# Altium PCB 物联网开发板.PcbDoc
Units mil, origin at the board's own origin, x right, y up, seen from the top; angles counter-clockwise.
Board outline 3405.51 x 3937.01 mil, 2 copper layers (Top Layer, Bottom Layer); 88 components, 83 nets, 380 pads, 18 vias.
Unrouted connection lines stored in the file: 153.
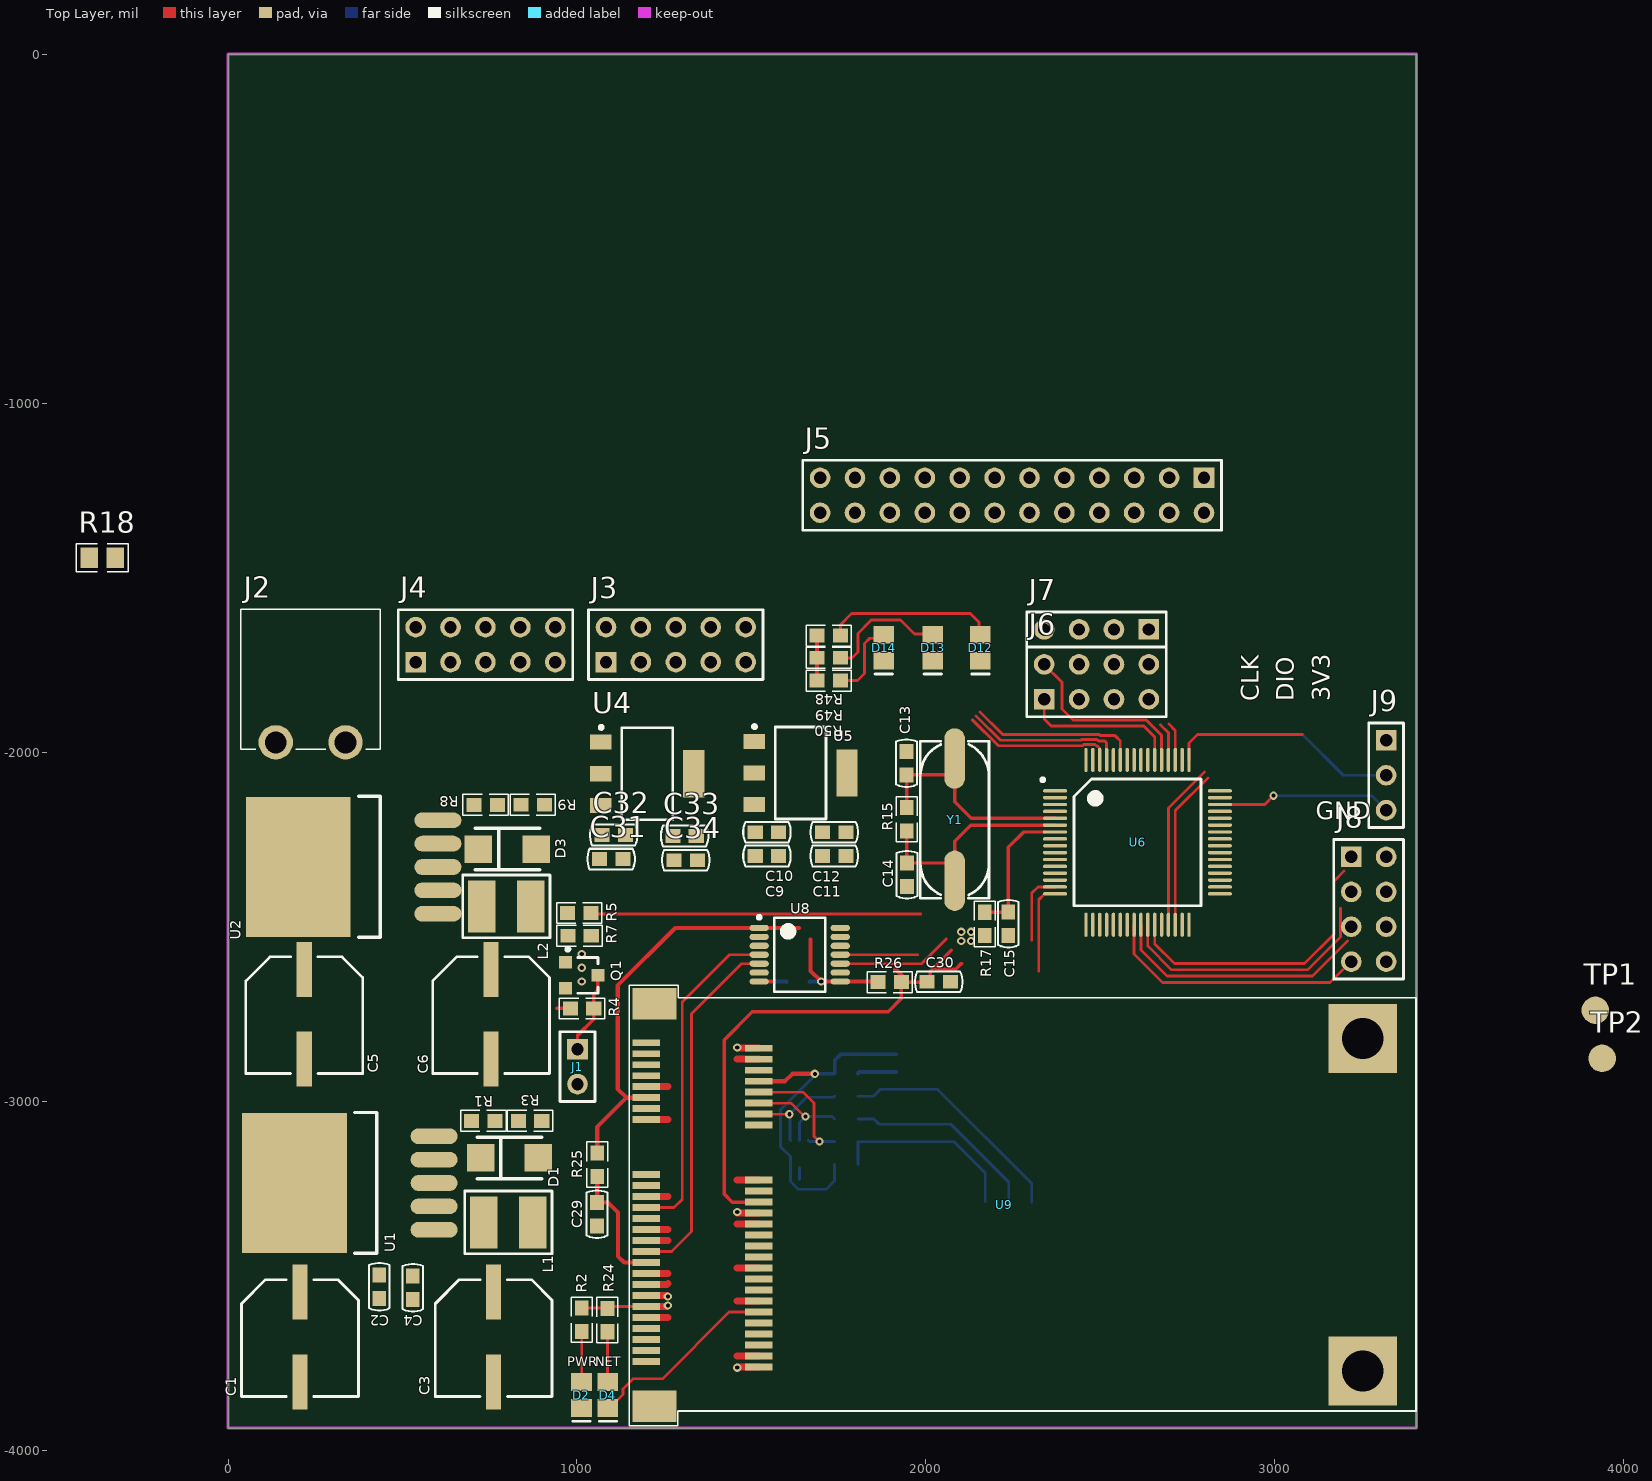
[diagram p0: Top Layer view]
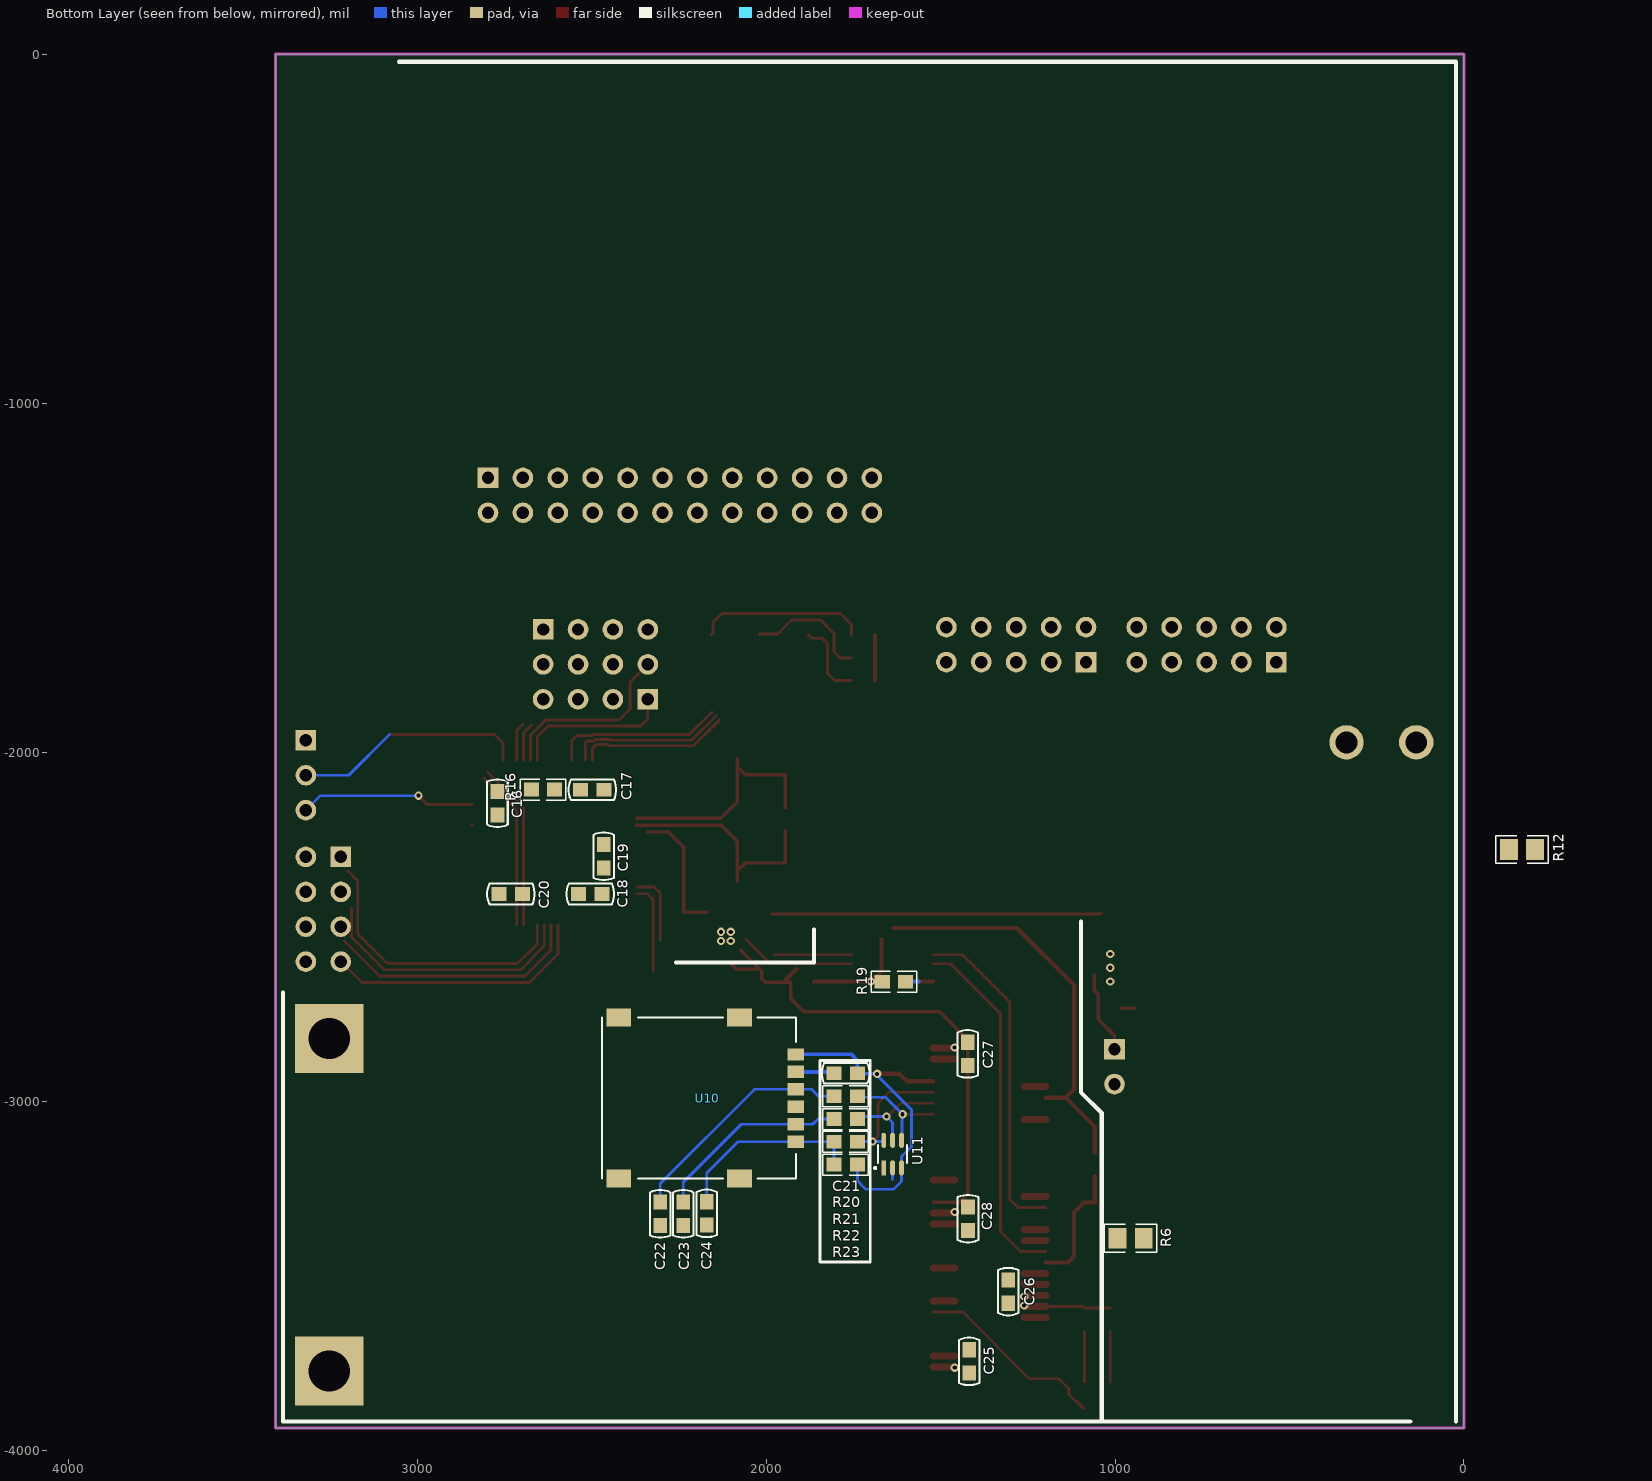
[diagram p1: Bottom Layer view, seen from below]

## Layer stack, top to bottom
Top Solder: solder mask 0.4, Solder Resist, Dk 3.5
Top Layer: signal copper 1.4
Dielectric1: dielectric 12.6, FR-4, Dk 4.8
Bottom Layer: signal copper 1.4
Bottom Solder: solder mask 0.4, Solder Resist, Dk 3.5

## Board outline
0,-3937.01 0,0 3405.51,0 3405.51,-3937.01

## Design rules (kind name [scope] priority, off if disabled: settings)
Clearance 11111 [InNamedPolygon('AGND_T') Or  InNamedPolygon('GND_4G_T1') Or  InNamedPolygon('GND_4G_T2') Or  InNamedPolygon('GND_T') Or  InNamedPolygon('AGND_B') Or  InNamedPolygon('GND_4G_B') Or  InNamedPolygon('GND_B')] p1: gap=15 ignorepadtopadclearanceinfootprint=FALSE except(0: Arc-Hole Track-Hole SMDPad-Hole THPad-Hole Via-Hole Fill-Hole Poly-Hole Region-Hole Text-Hole)
Clearance [All] p2: gap=6 ignorepadtopadclearanceinfootprint=FALSE except(0: Arc-Hole Track-Hole SMDPad-Hole THPad-Hole Via-Hole Fill-Hole Poly-Hole Region-Hole Text-Hole)
FabricationTestpoint [(IsPad And (OnTopLayer Or OnBottomLayer))] p1: side=3 testpointundercomponent=TRUE minsize=40 maxsize=100 preferedsize=60 minholesize=0 maxholesize=40 preferedholesize=32 testpointgrid=1 allowsidetop=TRUE allowsidebottom=TRUE usegrid=TRUE gridtolerance=0.01
HoleSize [All] p1: absolutevalues=TRUE maxlimit=500 minlimit=1 maxpercent=80.000 minpercent=20.000
HoleToHoleClearance [All] p1: gap=1 allowstackedmicrovias=TRUE
MinimumSolderMaskSliver [All] p1: minsoldermaskwidth=1
PolygonConnect [All] p1: connectstyle=Direct reliefconductorwidth=10 reliefentries=4 polygonreliefangle="90 Angle" airgapwidth=10
RoutingVias [All] p1: holewidth=11.81 width=19.68 viastyle="Through Hole" minholewidth=11.81 minwidth=19.68 maxholewidth=39.37 maxwidth=59.06
SilkToSilkClearance [All] p1: silktosilkclearance=1
SilkToSolderMaskClearance [IsPad] p1: minsilkscreentomaskgap=1 clearancetoexposedcopper=TRUE
SolderMaskExpansion [All] p1: expansion=4 istentingtop=FALSE
Width [All] p1: maxlimit=80 minlimit=6 preferedwidth=6
24 further rules are at their usual default settings.

## Classes and differential pairs
component class 05_信号驱动部分: J3 J4 J5 J6 J7 J8
component class 04_4G模块和外围电路: C21 C22 C23 C24 C25 C26 C27 C28 C29 C30 D4 R19 R20 R21 R22 R23 R24 R25 R26 TP1 TP2 U8 U9 U10 U11
component class 03_MCU部分: C13 C14 C15 C16 C17 C18 C19 C20 D12 D13 D14 R15 R16 R17 R48 R49 R50 U6 Y1
component class 02_电源部分: C1 C2 C3 C4 C5 C6 C9 C10 C11 C12 C31 C32 C33 C34 D1 D2 D3 J1 J2 L1 L2 Q1 R1 R2 R3 R4 R5 R6 R7 R8 R9 R12 R18 U1 U2 U4 U5

## Components (designator, comment, footprint, x,y, rotation, side; value= is the part's Value field where it differs from the comment)
C1 "Cap Pol" Cap8x10.5mm 206.23,-3551.24 r90 top value=220uF/35V
C2 "Cap" CAP-0603 433.73,-3531.96 r90 top value=104
C3 "Cap Pol" Cap8x10.5mm 761.14,-3551.24 r90 top value=220uF/35V
C4 "Cap" CAP-0603 529.73,-3534.87 r90 top value=104
C5 "Cap Pol" Cap8x10.5mm 218.46,-2626.04 r90 top value=220uF/35V
C6 "Cap Pol" Cap8x10.5mm 753.69,-2626.04 r90 top value=220uF/35V
C9 "Cap" CAP-0603 1544.35,-2297.76 r180 top value=106
C10 "Cap" CAP-0603 1544.35,-2229.47 r180 top value=104
C11 "Cap" CAP-0603 1737.03,-2297.76 r0 top value=104
C12 "Cap" CAP-0603 1737.03,-2229.47 r0 top value=106
C13 "Cap" CAP-0603 1944.09,-2031.85 r270 top value=22p
C14 "Cap" CAP-0603 1945.53,-2351.38 r90 top value=22p
C15 "Cap" CAP-0603 2236.08,-2491.65 r90 top value=104
C16 "Cap" CAP-0603 2769.61,-2146.61 r90 bottom value=104
C17 "Cap" CAP-0603 2497.59,-2108.09 r180 bottom value=104
C18 "Cap" CAP-0603 2503.6,-2406.61 r0 bottom value=104
C19 "Cap" CAP-0603 2465.09,-2298.61 r270 bottom value=104
C20 "Cap" CAP-0603 2731.09,-2406.61 r0 bottom value=104
C21 "Cap" CAP-0603 1771.65,-2920.54 r0 bottom value=104
C22 "Cap" CAP-0603 2303.11,-3323.05 r90 bottom value=33p
C23 "Cap" CAP-0603 2237.04,-3323.05 r90 bottom value=33p
C24 "Cap" CAP-0603 2169.9,-3322.05 r270 bottom value=33p
C25 "Cap" CAP-0603 1417.87,-3746.05 r270 bottom value=104
C26 "Cap" CAP-0603 1305.95,-3546.05 r270 bottom value=104
C27 "Cap" CAP-0603 1422.28,-2864.95 r90 bottom value=104
C28 "Cap" CAP-0603 1421.21,-3336.95 r90 bottom value=104
C29 "Cap" CAP-0603 1057.19,-3324.18 r90 top value=104
C30 "Cap" CAP-0603 2036.46,-2658.46 r0 top value=104
C31 "Cap" CAP-0603 1097.85,-2306.63 r180 top value=106
C32 "Cap" CAP-0603 1105.12,-2237.58 r180 top value=104
C33 "Cap" CAP-0603 1308.35,-2240.61 r0 top value=104
C34 "Cap" CAP-0603 1311.52,-2309.67 r0 top value=106
D1 "SS34" SMA(DO-214AC) 806.35,-3163.05 r0 top
D2 "LED" LED_0805 1012.85,-3842.4 r270 top
D3 "SS34" SMA(DO-214AC) 800.29,-2278.37 r0 top
D4 "LED" LED_0805 1088.5,-3842.4 r270 top
D12 "LED" LED_0805 2156.01,-1701.14 r270 top
D13 "LED" LED_0805 2019.47,-1701.14 r270 top
D14 "LED" LED_0805 1879.1,-1701.14 r270 top
J1 "Header 2" Header_2X1_2.54 1001.43,-2851.44 r270 top
J2 "Header 2" Header_HT_2P_5.08_Right 236.8,-1972.13 r0 top
J3 "Header_5X2" Header_5X2_2.54_排针 1283.15,-1692.21 r90 top
J4 "Header_5X2" Header_5X2_2.54_排针 737.66,-1692.21 r90 top
J5 "H12*2" H12*2 2796.65,-1214.21 r270 top
J6 "Header_4X2" Header_4x2-2.54 2488.6,-1798.65 r90 top
J7 "Header 4" Header_4X1_2.54_排针 2638.6,-1648.65 r180 top
J8 "Header_4X2" Header_4x2-2.54 3268.6,-2450.5 r0 top
J9 "Header3" Header_3X1_2.54_排针 3318.6,-1966.5 r270 top
L1 "Inductor" CD43 803.46,-3347.88 r90 top value=470uH
L2 "Inductor" CD43 797.4,-2442.37 r90 top value=470uH
Q1 "SS8050" SOT-23 1013.76,-2639.81 r270 top
R1 "Res" 0603 731.65,-3057.09 r0 top value=2K
R2 "Res" 0603 1013.83,-3626.63 r90 top value=2K
R3 "Res" 0603 865.43,-3057.09 r180 top value=1K
R4 "Res" 0603 1014.46,-2734.8 r0 top value=10K
R5 "Res" 0603 1006.46,-2461.2 r180 top value=5K
R6 "Res" 0805 955.21,-3393.37 r0 bottom value=0R
R7 "Res" 0603 1007.46,-2526.15 r0 top value=50K
R8 "Res" 0603 738.21,-2151.57 r0 top value=3K
R9 "Res" 0603 873.36,-2151.31 r180 top value=1K
R12 "Res" 0805 -166.42,-2279.24 r0 bottom value=0R
R15 "Res" 0603 1944.66,-2192.61 r90 top value=1M
R16 "Res" 0603 2639.01,-2107.53 r180 bottom value=10K
R17 "Res" 0603 2168.58,-2492.57 r90 top value=10K
R18 "Res" 0805 -360.35,-1443.78 r0 top value=0R
R19 "Res" 0603 1633.41,-2657.94 r0 bottom value=100K
R20 "Res" 0603 1771.73,-2986.34 r0 bottom value=22R
R21 "Res" 0603 1771.73,-3051.57 r0 bottom value=22R
R22 "Res" 0603 1771.73,-3116.8 r0 bottom value=22R
R23 "Res" 0603 1771.73,-3182.03 r180 bottom value=10K
R24 "Res" 0603 1087.29,-3627.63 r270 top value=2K
R25 "Res" 0603 1057.76,-3182.26 r90 top value=10K
R26 "Res" 0603 1896.24,-2659.03 r0 top value=10K
R48 "Res" 0603 1721.48,-1666.12 r0 top value=1K
R49 "Res" 0603 1721.48,-1730.12 r0 top value=1K
R50 "Res" 0603 1721.48,-1795.19 r0 top value=1K
TP1 "TestPoint" TESTPOINT 3917.9,-2739.85 r0 top
TP2 "TestPoint" TESTPOINT 3937.58,-2877.64 r0 top
U1 "LM2576-ADJ" "TO-263-5 无背面散热" 387.56,-3249.82 r270 top
U2 "LM2596" "TO-263-5 无背面散热" 398.2,-2344.31 r270 top
U4 "ASM1117-3.3" SOT-223 1201.32,-2062.21 r270 top
U5 "ASM1117-3.3" SOT-223 1640.69,-2060.04 r270 top
U6 "STM32F103R" LQFP64 2606.09,-2258.61 r0 top locked
U8 "TXB0104PWR" TSSOP-14 1638.18,-2580.76 r0 top
U9 "EC200T-PCIe" miniPCIe1 1198.3,-2832.87 r180 top locked
U10 "nano_sim" Nano_SIM_6P 2075.85,-2760.97 r270 bottom
U11 "SMF05C" SOT-363 1637.27,-3152.01 r90 bottom
Y1 "XTAL" X-SM49 2082.09,-2193.61 r270 top locked value=8M

## Footprints (in the part's own frame and the unit in brackets; to place one, negate y for a bottom-side part, rotate by r counter-clockwise, add the part's x,y. Pads: shape width x height; smd on the part's side, far side on the other; paste and mask are expansions set on the pad)
0603 [mm] "贴片带丝印"
  rect 1.1x1 smd: 1(-0.85,0) 2(0.85,0)
  silkscreen extent -1.65,-0.76 1.65,0.76, body extent -0.8,-0.38 0.8,0.47, height 0.6
0805 [mm] "贴片带丝印"
  rect 1.3x1.5 smd: 1(-0.95,0) 2(0.95,0)
  silkscreen extent -1.91,-1.02 1.91,1.02, body extent -1,-0.6 1,0.6, height 0.85
Cap8x10.5mm [mm] "for 470uf"
  rect 4x1.1 smd: 1(0.089,0) 2(-6.439,0)
  silkscreen extent -7.5,-4.25 1,4.25, body extent -7.5,-4 0.5,4, height 10
CAP-0603 [mm] "贴片电容"
  rect 1.1x1 smd: 1(-0.85,0) 2(0.85,0)
  silkscreen extent -1.73,-0.75 1.73,0.75, body extent -0.76,-0.38 0.76,0.38, height 0.78
CD43 [mm]
  rect 3.8x2 smd: 1(0,1.778) 2(0,-1.778)
  silkscreen extent -2.29,-3.18 2.29,3.17, body extent -2,-2.54 2,2.54, height 3.7
H12*2 [mm]
  rect 1.5x1.5 hole 0.9: 1(0,0)
  round 1.5 hole 0.9: 2(0,-2.54) 3(0,-5.08) 4(0,-7.62) 5(0,-10.16) 6(0,-12.7) 7(0,-15.24) 8(0,-17.78) 9(0,-20.32) 10(0,-22.86) 11(0,-25.4) 12(0,-27.94) 13(2.54,-27.94) 14(2.54,-25.4) 15(2.54,-22.86) 16(2.54,-20.32) 17(2.54,-17.78) 18(2.54,-15.24) 19(2.54,-12.7) 20(2.54,-10.16) 21(2.54,-7.62) 22(2.54,-5.08) 23(2.54,-2.54) 24(2.54,0)
  silkscreen extent -1.27,-29.21 3.81,1.27
Header_2X1_2.54 [mm] "2.54间距排针"
  rect 1.5x1.5 hole 0.9: 1(0,0)
  round 1.5 hole 0.9: 2(2.54,0)
  silkscreen extent -1.27,-1.27 3.81,1.27
Header_3X1_2.54_排针 [mm] "2.54排针-3x1"
  rect 1.5x1.5 hole 0.9: 1(0,0)
  round 1.5 hole 0.9: 2(2.54,0) 3(5.08,0)
  silkscreen extent -1.27,-1.27 6.35,1.27, body extent -1.27,-1.27 6.35,1.27, height 9.2
Header_4X1_2.54_排针 [mm] "2.54接插件_4x1排针"
  rect 1.5x1.5 hole 0.9: 1(0,0)
  round 1.5 hole 0.9: 2(2.54,0) 3(5.08,0) 4(7.62,0)
  silkscreen extent -1.27,-1.27 8.89,1.27, body extent -1.28,-1.27 8.88,1.27, height 9.2
Header_4x2-2.54 [mm] "4x2排针-2.54间距"
  rect 1.5x1.5 hole 0.9: 1(-1.27,3.81)
  round 1.5 hole 0.9: 2(-1.27,1.27) 3(-1.27,-1.27) 4(-1.27,-3.81) 5(1.27,-3.81) 6(1.27,-1.27) 7(1.27,1.27) 8(1.27,3.81)
  silkscreen extent -2.54,-5.08 2.54,5.08
Header_5X2_2.54_排针 [mm]
  rect 1.5x1.5 hole 0.9: 1(-1.27,5.08)
  round 1.5 hole 0.9: 2(-1.27,2.54) 3(-1.27,0) 4(-1.27,-2.54) 5(-1.27,-5.08) 6(1.27,-5.08) 7(1.27,-2.54) 8(1.27,0) 9(1.27,2.54) 10(1.27,5.08)
  silkscreen extent -2.54,-6.35 2.54,6.35
Header_HT_2P_5.08_Right [mm] "弯脚HT_2P接线端子,间距5.08"
  round 2.5 hole 1.6: 1(-2.54,0) 2(2.54,0)
  silkscreen extent -5.08,-0.5 5.08,9.7, body extent -5.13,-0.48 5.03,9.72, height 8.7
LED_0805 [mm] "贴片二极管"
  rect 1.3x1.5 smd: 1(-0.95,0) 2(0.95,0)
  silkscreen extent 1.9,-0.63 1.9,0.63, body extent -1.01,-0.62 1.01,0.62, height 1.1
LQFP64 [mm] "64引脚芯片-无散热盘"
  oval 1.75x0.25 smd: 1(-6,3.75) 2(-6,3.25) 3(-6,2.75) 4(-6,2.25) 5(-6,1.75) 6(-6,1.25) 7(-6,0.75) 8(-6,0.25) 9(-6,-0.25) 10(-6,-0.75) 11(-6,-1.25) 12(-6,-1.75) 13(-6,-2.25) 14(-6,-2.75) 15(-6,-3.25) 16(-6,-3.75) 33(6,-3.75) 34(6,-3.25) 35(6,-2.75) 36(6,-2.25) 37(6,-1.75) 38(6,-1.25) 39(6,-0.75) 40(6,-0.25) 41(6,0.25) 42(6,0.75) 43(6,1.25) 44(6,1.75) 45(6,2.25) 46(6,2.75) 47(6,3.25) 48(6,3.75)
  oval 0.25x1.75 smd: 17(-3.75,-6) 18(-3.25,-6) 19(-2.75,-6) 20(-2.25,-6) 21(-1.75,-6) 22(-1.25,-6) 23(-0.75,-6) 24(-0.25,-6) 25(0.25,-6) 26(0.75,-6) 27(1.25,-6) 28(1.75,-6) 29(2.25,-6) 30(2.75,-6) 31(3.25,-6) 32(3.75,-6) 49(3.75,6) 50(3.25,6) 51(2.75,6) 52(2.25,6) 53(1.75,6) 54(1.25,6) 55(0.75,6) 56(0.25,6) 57(-0.25,6) 58(-0.75,6) 59(-1.25,6) 60(-1.75,6) 61(-2.25,6) 62(-2.75,6) 63(-3.25,6) 64(-3.75,6)
  silkscreen extent -7.02,-4.61 4.61,4.67, body extent -5.99,-5.93 6.01,6.07, height 1.6
miniPCIe1 [mm] "EC200T"
  rect 5x5 hole 3: 0(-52.15,-0.3) 0(-52.15,23.9)
  rect 3.2x2.3 smd: 0(-0.6,26.45) 0(-0.6,-2.85)
  rect 2x0.5 smd: 1(0,0) 2(-8.2,0.4) 3(0,0.8) 4(-8.2,1.2) 5(0,1.6) 6(-8.2,2) 7(0,2.4) 8(-8.2,2.8) 9(0,3.2) 10(-8.2,3.6) 11(0,4) 12(-8.2,4.4) 13(0,4.8) 14(-8.2,5.2) 15(0,5.6) 16(-8.2,6) 17(0,9.6) 18(-8.2,10) 19(0,10.4) 20(-8.2,10.8) 21(0,11.2) 22(-8.2,11.6) 23(0,12) 24(-8.2,12.4) 25(0,12.8) 26(-8.2,13.2) 27(0,13.6) 28(-8.2,14) 29(0,14.4) 30(-8.2,14.8) 31(0,15.2) 32(-8.2,15.6) 33(0,16) 34(-8.2,16.4) 35(0,16.8) 36(-8.2,17.2) 37(0,17.6) 38(-8.2,18) 39(0,18.4) 40(-8.2,18.8) 41(0,19.2) 42(-8.2,19.6) 43(0,20) 44(-8.2,20.4) 45(0,20.8) 46(-8.2,21.2) 47(0,21.6) 48(-8.2,22) 49(0,22.4) 50(-8.2,22.8) 51(0,23.2) 52(-8.2,23.6)
  silkscreen extent -56.02,-4.17 1.22,27.87
Nano_SIM_6P [mm]
  rect 1.3x1.8 smd: 0(0,-8.8) 0(0,0) 0(11.7,-8.8) 0(11.7,0)
  rect 0.9x1.2 smd: 1(2.68,4.1) 2(5.22,4.1) 3(7.76,4.1) 4(3.95,4.1) 5(6.49,4.1) 6(9.03,4.1)
  silkscreen extent 0,-10 11.7,4.1, body extent -0.42,-10 11.98,4.1, height 1.55
SMA(DO-214AC) [mm] "SS系列肖特基二极管"
  rect 2x2 smd: 1(2.1,0) 2(-2.1,0)
  silkscreen extent -2.35,-1.5 2.35,1.52
SOT-23 [mm]
  rect 0.9x0.95 smd: 1(-0.95,-1.175) 2(0.95,-1.175) 3(0,1.175)
  silkscreen extent -2.03,-1.14 1.3,1.18, body extent -1.5,-1.25 1.5,1.25, height 1.15
SOT-223 [mm]
  rect 1.1x1.55 smd: 1(-2.3,-3.375) 2(0,-3.375) 3(2.3,-3.375)
  rect 3.45x1.55 smd: 2(0,3.375)
  silkscreen extent -3.5,-3.48 3.35,1.85, body extent -3,-3.23 3.5,3.73, height 1.7
SOT-363 [mm] "SOT-363封装"
  rect 1.1x0.35 smd: 1(-1,0.65)
  oval 1.1x0.35 smd: 2(-1,0) 3(-1,-0.65) 4(1,-0.65) 5(1,0) 6(1,0.65)
  silkscreen extent -1.09,-1.05 0.65,1.35, body extent -1.15,-1.1 1.25,1.1, height 1.1
TESTPOINT [mm] "测试点"
  round 2 smd: 1(0,0)
"TO-263-5 无背面散热" [mil]
  rect 400x300 smd: 0(-15,-197)
  oval 45x135 smd: 1(119,203) 2(52,203) 3(-15,203) 4(-82,203) 5(-149,203)
  silkscreen extent -217,-24 187,38, body extent -220,-343 190,223, height 203
TSSOP-14 [mm]
  oval 1.4x0.45 smd: 1(-2.95,1.95) 2(-2.95,1.3) 3(-2.95,0.65) 4(-2.95,0) 5(-2.95,-0.65) 6(-2.95,-1.3) 7(-2.95,-1.95) 8(2.95,-1.95) 9(2.95,-1.3) 10(2.95,-0.65) 11(2.95,0) 12(2.95,0.65) 13(2.95,1.3) 14(2.95,1.95)
  silkscreen extent -3.07,-2.7 1.85,2.85, body extent -2.25,-2.7 2.25,2.7, height 0.2
X-SM49 [mm] "贴片晶振"
  oval 4.4x1.5 smd: 1(4.45,0.004) 2(-4.45,-0.004)
  silkscreen extent -5.7,-2.5 5.72,2.5, body extent -6.15,-2.35 6.15,2.35, height 4.4

## Part data
C1 C3 C5 C6: "贴片电解电容 8*10.5mm", LatestRevisionDate=17-Jul-2002, LatestRevisionNote="Re-released for DXP Platform.", PackageReference=POLAR0.8, Published=8-Jun-2000, Publisher="Altium Limited"
C2 C4 C9 C10 C11 C12 C13 C14 C15 C16 C17 C18 C19 C20 C21 C22 C23 C24 C25 C26 C27 C28 C29 C30 C31 C32 C33 C34: "无极性电容", LatestRevisionDate=17-Jul-2002, LatestRevisionNote="Re-released for DXP Platform.", PackageReference=RAD-0.3, Published=8-Jun-2000, Publisher="Altium Limited"
D1 D3: library part "D Schottky", "Schottky Diode", Code_JEDEC=DO-214-AA, LatestRevisionDate=17-Jul-2002, LatestRevisionNote="Re-released for DXP Platform.", PackageReference=SMB, Published=8-Jun-2000, Publisher="Altium Limited"
D2 D4 D12 D13 D14: "发光二极管", LatestRevisionDate=08-Jul-2005, LatestRevisionNote="Mech Layer 1 removed.", PackageReference=LED-0, Published=8-Jun-2000, Publisher="Altium Limited"
J1 J2 J3 J4 J6 J7 J8 J9: "接插件"
  J1 J2 J6 J7 J8: LatestRevisionDate=17-Jul-2002, LatestRevisionNote="Re-released for DXP Platform.", Publisher="Altium Limited"
L1 L2: "贴片功率电感", Code_IEC=1005, Code_JEITA=0402, LatestRevisionDate=17-Jul-2002, LatestRevisionNote="Re-released for DXP Platform.", PackageReference=0402-A, Published=8-Jun-2000, Publisher="Altium Limited"
Q1: "NPN贴片三极管", PackageDocument=Sep-1998, Code_JEDEC=TO-92A, ComponentLink1Description="Manufacturer Link", ComponentLink1URL=http://www.fairchildsemi.com/, ComponentLink2Description=Datasheet, ComponentLink2URL=http://www.fairchildsemi.com/ds/2N%2F2N3904.pdf, DatasheetDocument=1997, LatestRevisionDate=15-Jan-2003, LatestRevisionNote="PCB Footprint 'BCY-W3/D4.7' replaced", PackageReference=TO-92A, Published=8-Jun-2000, Publisher="Altium Limited"
R1 R2 R3 R4 R5 R6 R7 R8 R9 R12 R15 R16 R17 R18 R19 R20 R21 R22 R23 R24 R25 R26 R48 R49 R50: "贴片电阻", LatestRevisionDate=17-Jul-2002, LatestRevisionNote="Re-released for DXP Platform.", PackageReference=AXIAL-0.4, Published=8-Jun-2000, Publisher="Altium Limited"
TP1 TP2: "测试点"
U1: library part LM2576
U2: "DC/DC"
U4 U5: library part ASM1117, "3.3V稳压芯片"
U6: "STM32单片机64引脚", I/Os (High Current)=51, Operating Frequency(F) (Processor speed) (MHz)=72, PartNumber=STM32F103RGT6, Supplier Part Number 1=497-11118-ND, Supply Voltage(Vcc) min (V)=2, A/D Converter="3x12-bit (16 Channel)", ComponentLink1Description="Manufacturer URL", ComponentLink1URL=http://www.st.com/web/en/home.html, ComponentLink2Description=Datasheet, ComponentLink2URL=http://www.st.com/st-web-ui/static/active/en/resource/technical/document/datasheet/CD00253742.pdf, ComponentLink3Description="Package Specification", ComponentLink3URL=http://www.st.com/st-web-ui/static/active/en/resource/technical/document/datasheet/DM00037051.pdf, Core="ARM Cortex-M3", D/A Converter="2x12-bit (2 Channel)", DatasheetVersion="Rev. 3", FLASH Size (Prog) (kB)=1024, Internal RAM Size (kB)=96, Mounting Technology="Surface Mount", PackageDescription="64-Pin Low Profile Quad Flat Package, 10 x 10 mm Body, 0.5 mm Pitch", PackageReference=LQFP64, PackageVersion="Rev. 4, 06/2013", Packing=Tray, Supplier 1=Digi-Key, Supplier 2=Farnell, Supplier 3=Newark, Supplier 4=Mouser, Supplier Part Number 2=2215220, Supplier Part Number 3=21T4016, Supplier Part Number 4=511-STM32F103RGT6
U8: "电平转换芯片"
Y1: "晶振", LatestRevisionDate=17-Jul-2002, LatestRevisionNote="Re-released for DXP Platform.", PackageReference=R38, Published=8-Jun-2000, Publisher="Altium Limited"

## Via types
v1: diameter 23.62, hole 11.81, Top Layer to Bottom Layer, tented both sides, 18 vias

## Nets (pads, with @x,y where several pads share a name; then routed paths per layer and width w, separated by ;. In a path a pad name is that pad's centre, name@x,y a point inside that pad or via, vN(x,y) a via of type N, cw(c..) or ccw(c..) an arc to the next point about the centre after c; other vN are vias at no path point)
3V3: C11.2 C12.2 C16.2 C17.2 C18.2 C19.2 C20.2 R17.1 R48.1 R49.1 R50.1 U5.2 U6.1 U6.13 U6.19 U6.32 U6.48 U6.64 U8.14 | length 208.7
  Top Layer w10: 2029.91,-2622.1 2085.1,-2622.1 2101.28,-2605.92 2102.09,-2605.92
  Top Layer w12: R50.1 R49.1 R48.1
  Bottom Layer w10: v1(2101.09,-2541.11) v1@2101.59,-2541.61
  other v1: 2129.09,-2541.11 2101.09,-2515.11 2129.09,-2515.11
3V3_OUT: C33.2 C34.2 J3.1 J3.2 J3.3 J3.4 J3.5 U4.2
3V8: C3.1 C4.2 C25.2 C26.2 C27.2 C28.2 L1.2 R1.1 R2.2 R24.1 U9.2 U9.24 U9.39 U9.41 U9.52 | length 499.7
  Top Layer w8: R2.2 1086.29,-3593.17 R24.1 1092.68,-3588.78 U9.41
  Top Layer w20: U9.41 1257.31,-3588.78 v1(1260.31,-3585.78) ; U9.39 1257.31,-3557.28 v1(1260.31,-3560.28) ; v1@1459.11,-3762 U9.52 ; v1@1459.11,-3321.06 U9.24 ; v1@1459.11,-2848.62 U9.2
  other v1: 1459.11,-3764 1459.11,-3318.06 1459.11,-2846.62
5V: C6.1 C9.2 C10.2 C31.2 C32.2 J4.1 J4.2 J4.3 J4.4 J4.5 L2.2 R8.1 U4.3 U5.3
12V: C1.1 C2.2 C5.1 J2.1 R4.1 U1.1 U2.1
AGND: C1.2 C2.1 C5.2 C6.2 D1.1 D3.1 J1.2 J2.2 J3.6 J3.7 J3.8 J3.9 J3.10 J4.6 J4.7 J4.8 J4.9 J4.10 Q1.2 R3.1 R6.1 R7.2 R9.1 U1.0 U1.3 U2.0 U2.3 U2.5
  other v1: 1013.78,-2657.48 1013.78,-2618.11 1013.78,-2578.74
EC200_RXD: U8.4 U9.23 | length 955.4
  Top Layer w8: U9.23 1278.19,-3305.31 1301.5,-3282 1301.5,-2716.06 1436.8,-2580.76 U8.4
EC200_TXD: U8.5 U9.31 | length 1031
  Top Layer w8: U9.31 1271.21,-3431.3 1328.5,-3374 1328.5,-2750 1472.15,-2606.35 U8.5
EXT: R19.2 R25.2 R26.1 U8.1 U8.8 U9.11 | length 1546.5
  Top Layer w12: R25.2 1057.76,-3074.44 1141.85,-2990.35 ; U9.11 1141.85,-2990.35 ; 1636.5,-2503.99 U8.1 1281.51,-2503.99 1116.5,-2669 1116.5,-2965 1141.85,-2990.35 ; 1669.5,-2537 1669.5,-2627 v1(1700.04,-2657.54) U8.8 1861.28,-2657.54 R26.1 ; 1912.09,-2622.1 1945.09,-2655.11
  Bottom Layer w12: R19.2 1667.28,-2657.54 v1(1700.04,-2657.54)
GND: C11.1 C12.1 C13.1 C14.1 C15.1 C16.1 C17.1 C18.1 C19.1 C20.1 C33.1 C34.1 J7.1 J7.2 J7.3 J7.4 J8.5 J8.6 J8.7 J8.8 J9.1 R12.2 R16.1 R18.2 U4.1 U5.1 U6.12 U6.18 U6.31 U6.47 U6.63
GND_4G: C3.2 C4.1 C21.2 C22.1 C23.1 C24.2 C25.1 C26.1 C27.1 C28.1 C29.1 C30.2 D2.2 R6.2 R19.1 U8.7 U9.4 U9.9 U9.15 U9.18 U9.21 U9.26 U9.27 U9.29 U9.34 U9.35 U9.37 U9.40 U9.43 U9.50 U10.4 U11.2 | length 1091.9
  Top Layer w12: U8.7 1563.04,-2657.54
  Top Layer w20: U9.43 1260.31,-3620.27 ; U9.37 1257.31,-3525.78 1260.31,-3522.78 ; U9.35 1260.31,-3494.29 ; U9.29 1260.31,-3399.8 ; U9.27 1260.31,-3368.3 ; U9.21 1260.31,-3273.81 ; U9.15 1260.31,-3053.34 ; U9.9 1260.31,-2958.85 ; 1459.11,-3730.51 U9.50 ; 1459.11,-3573.03 U9.40 ; 1459.11,-3478.54 U9.34 ; 1459.11,-3352.55 U9.26 ; 1459.11,-3226.57 U9.18 ; 1459.11,-2880.11 U9.4
  Bottom Layer w8: 1637.27,-3224.77 U11.2
  Bottom Layer w12: 1563.04,-2657.54 1599.54,-2657.54 R19.1 ; C21.2 1809.17,-2916.48 U10.4
NetC9_1: C9.1 C10.1 R12.1
NetC13_2: C13.2 R15.2 U6.5 Y1.2 | length 672.5
  Top Layer w10: R15.2 1944.66,-2065.88 C13.2 2059.26,-2065.32 Y1.2@2081.93,-2042.66 ; Y1.2 Y1.2@2081.93,-2042.66 ; U6.5 2129.69,-2189.71 2081.93,-2141.94 Y1.2@2081.93,-2042.66
NetC14_2: C14.2 R15.1 U6.6 Y1.1 | length 658.1
  Top Layer w10: R15.1 1944.66,-2317.05 C14.2 2059.6,-2317.91 Y1.1@2082.26,-2340.57 ; Y1.1 Y1.1@2082.26,-2340.57 ; U6.6 2128.81,-2209.39 2082.26,-2255.94 Y1.1@2082.26,-2340.57
NetC15_2: C15.2 R17.2 U6.7 | length 375.5
  Top Layer w10: R17.2 2235.16,-2459.11 C15.2 ; C15.2 2236.09,-2273.11 2280.13,-2229.08 U6.7@2340.43,-2229.08
NetC22_2: C22.2 R20.2 U10.2 | length 671
  Bottom Layer w8: R20.2 1849.17,-2986.34 1869.02,-2966.48 U10.2 2032.99,-2966.48 2303.11,-3236.61 C22.2
NetC23_2: C23.2 R21.2 U10.3 | length 563.9
  Bottom Layer w8: R21.2 1851.07,-3051.57 1865.99,-3066.48 U10.3 2070.99,-3066.48 2237.04,-3232.54 C23.2
NetC24_1: C24.1 R22.2 R23.1 U10.6 | length 549.5
  Bottom Layer w8: R23.1 R22.2 1805.51,-3116.48 U10.6 2079.99,-3116.48 2169.9,-3206.39 C24.1
NetC31_1: C31.1 C32.1 R18.1
NetD1_2: D1.2 L1.1 U1.2
NetD2_1: D2.1 R2.1 | length 145.3
  Top Layer w8: D2.1 1013.83,-3804.02 R2.1
NetD3_2: D3.2 L2.1 U2.2
NetD4_1: D4.1 R24.2 | length 144.4
  Top Layer w8: R24.2 1087.29,-3803.79 D4.1
NetD4_2: D4.2 U9.42 | length 582.9
  Top Layer w8: D4.2@1107.6,-3860.7 D4.2 1092.43,-3879.8 1131.89,-3840.34 1131.89,-3824.61 1160.5,-3796 1244.5,-3796 1435.98,-3604.52 U9.42
NetD12_1: D12.1 R48.2 | length 489.2
  Top Layer w8: R48.2 1754.94,-1635.06 1787,-1603 2127,-1603 2152,-1628 2152,-1659.73 D12.1
NetD13_1: D13.1 R49.2 | length 357.7
  Top Layer w8: R49.2 1787.88,-1730.12 1805,-1713 1805,-1660 1843,-1622 1927,-1622 1967,-1662 2017.73,-1662 D13.1
NetD14_1: D14.1 R50.2 | length 228.6
  Top Layer w8: R50.2@1755.33,-1795.19 1803.81,-1795.19 1824,-1775 1824,-1689 1839,-1674 1868.84,-1674 D14.1
NetJ1_1: J1.1 Q1.3 R4.2 U1.5 | length 235.9
  Top Layer w10: J1.1 1001.43,-2812.07 1047.93,-2765.58 R4.2 1047.93,-2694.58 1060.02,-2682.48 Q1.3
NetQ1_1: Q1.1 R5.2 R7.1
NetR1_2: R1.2 R3.2 U1.4
NetR8_2: R8.2 R9.2 U2.4
NetR16_2: R16.2 U6.60
PA0: U6.14
PA1: R5.1 U6.15 | length 1155.4
  Top Layer w8: R5.1 1042.73,-2464 1984.82,-2464 ; 2303.09,-2539.43 2303.09,-2404.11 2320.65,-2386.56 U6.15
PA2: TP1.1 U6.16 U8.11 | length 479.2
  Top Layer w8: U8.11 1975.74,-2580.76 ; 2323.09,-2627.11 2323.09,-2552.05 2323.09,-2423.11 2339.96,-2406.24 U6.16
PA3: TP2.1 U6.17 U8.10 | length 333.6
  Top Layer w8: U8.10 1754.67,-2606.7 1986.8,-2606.7 2058.22,-2535.28
PA4: U6.20
PA5: C30.1 R26.2 U6.21 U9.22 | length 1346.7
  Top Layer w10: U9.22 1445.07,-3289.56 1422.5,-3267 1422.5,-2824 1502.5,-2744 1891.5,-2744 1929.71,-2705.79 R26.2 2002.42,-2659.03 2012.7,-2648.76 2012.7,-2627.81 2072.5,-2568
PA6: U6.22
PA7: U6.23
PA8: U6.41
PA9: J6.4 U6.42
PA10: J6.5 U6.43 | length 0.8
  Top Layer w8: U6.43 U6.43@2842.88,-2208.83
PA11: U6.44
PA12: U6.45
PA15: U6.50
PB0: D12.2 J8.1 U6.26 | length 762.1
  Top Layer w8: U6.26 2635.62,-2555.62 2704,-2624 3093,-2624 3187.5,-2529.5 3187.5,-2447.5
PB1: D13.2 J8.2 U6.27 | length 819.5
  Top Layer w8: U6.27 2655.31,-2549.31 2712,-2606 3085,-2606 3170,-2521 3170,-2369 3198,-2341
PB2: D14.2 U6.28
PB3: U6.55
PB4: U6.56
PB5: U6.57
PB6: U6.58
PB7: U6.59 | length 490.5
  Top Layer w8: 2155,-1885 2220.11,-1950.11 2440.5,-1950.11 2440.68,-1949.94 2495.92,-1949.94 2496.1,-1950.11 2496.91,-1950.11 2498.59,-1951.8 2499.24,-1952.44 2501.74,-1952.44 2538.13,-1952.44 cw(c2538.13,-1960.44) 2543.79,-1954.79 2556.88,-1967.88 U6.59
PB8: U6.61 | length 456
  Top Layer w8: 2143.69,-1896.31 2213.49,-1966.11 2444.3,-1966.11 2446.48,-1963.94 2490.12,-1963.94 2492.3,-1966.11 2492.47,-1966.28 2493.86,-1967.67 2494.4,-1967.67 2495.17,-1968.44 2509.51,-1968.44 cw(c2509.51,-1976.44) 2517.51,-1976.44 U6.61
PB9: U6.62 | length 435.3
  Top Layer w8: 2132.69,-1907.31 2207.04,-1981.67 2448.54,-1981.67 2452.28,-1977.94 2484.32,-1977.94 2488.83,-1982.44 2491.04,-1982.44 2497.47,-1988.88 2497.47,-2022.03 U6.62
PB10: J6.3 U6.29 | length 480.6
  Top Layer w8: U6.29 2694.68,-2160.32 2798,-2057
PB11: J6.6 U6.30 | length 459.6
  Top Layer w8: U6.30 2714.36,-2167.64 2808,-2074
PB12: U6.33
PB13: U6.34
PB14: U6.35
PB15: U6.36
PC0: U6.8
PC1: U6.9
PC2: U6.10
PC3: U6.11
PC4: J8.3 U6.24 | length 729.9
  Top Layer w8: U6.24 2596.25,-2578.25 2678,-2660 3158,-2660 3194,-2624
PC5: J8.4 U6.25 | length 737.3
  Top Layer w8: U6.25 2615.94,-2567.25 2690.69,-2642 3107,-2642 3208,-2541
PC6: U6.37
PC7: U6.38
PC8: U6.39
PC9: U6.40
PC10: J6.2 U6.51 | length 110
  Top Layer w8: 2696,-1920 2714.36,-1938.36 U6.51
PC11: J6.7 U6.52 | length 109.8
  Top Layer w8: 2672,-1922 2694.68,-1944.68 U6.52
PC12: J6.1 U6.53 | length 536.1
  Top Layer w8: 2338.6,-1748.65 2390,-1800.05 2390,-1877 2421,-1908 2631,-1908 2674.99,-1951.99 U6.53
PD2: J6.8 U6.54 | length 460.2
  Top Layer w8: 2338.6,-1848.65 2338.6,-1904.6 2359,-1925 2624,-1925 2655.31,-1956.31 U6.54
RST_KEY: C29.2 R25.1 U9.33 | length 361.4
  Top Layer w12: R25.1 1057.76,-3290.15 C29.2 1089.22,-3290.72 1117.5,-3319 1117.5,-3445 1135.3,-3462.79 U9.33
SIM: C21.1 R23.2 U9.8 U10.1 U11.3 | length 999.8
  Top Layer w12: U9.8 1595.97,-2943.11 1617.08,-2922 v1(1681.5,-2922)
  Bottom Layer w8: v1(1681.5,-2922) 1681.5,-2926.77 1675.29,-2932.98 1675.29,-2933.22 1583.5,-3025 1583.5,-3131 1611.68,-3159.18 U11.3 1611.68,-3230.18 1634.5,-3253 1713.5,-3253 1738.26,-3228.24 R23.2 ; C21.1@1736.72,-2922 C21.1
  Bottom Layer w10: v1(1681.5,-2922) C21.1@1736.72,-2922 ; C21.1 1738.18,-2883.32 1755.02,-2866.48 U10.1
SIM_CLK: R21.1 U9.12 U11.5 | length 311.7
  Top Layer w8: U9.12 1613.6,-3006.1 1651.5,-3044 v1(1654.5,-3044)
  Bottom Layer w8: U11.5 1637.27,-3061.23 v1(1654.5,-3044) 1730.7,-3044 R21.1
SIM_DATA: R22.1 U9.10 U11.6 | length 364.7
  Top Layer w8: U9.10 1648.11,-2974.6 1679.5,-3006 1679.5,-3101 v1(1694.5,-3116)
  Bottom Layer w8: U11.6 1666.22,-3116 v1(1694.5,-3116) 1737.46,-3116 R22.1
SIM_RST: R20.1 U9.14 U11.4 | length 314.7
  Top Layer w8: U9.14 1521.54,-3038 v1(1608.5,-3038)
  Bottom Layer w8: U11.4 1610.2,-3111.15 1610.2,-3039.69 v1(1608.5,-3038) 1657.5,-2989 1735.6,-2989 R20.1
SWDCLK: J9.2 U6.49 | length 671.3
  Top Layer w8: U6.49 2753.73,-1974.27 2778,-1950 3079,-1950
  Bottom Layer w8: 3079,-1950 3195.5,-2066.5 J9.2
SWDIO: J9.3 U6.46 | length 504
  Top Layer w8: U6.46 2970.66,-2150.34 v1(2996,-2125)
  Bottom Layer w8: v1(2996,-2125) 3277.11,-2125 J9.3
pads on no net: J5.1 J5.2 J5.3 J5.4 J5.5 J5.6 J5.7 J5.8 J5.9 J5.10 J5.11 J5.12 J5.13 J5.14 J5.15 J5.16 J5.17 J5.18 J5.19 J5.20 J5.21 J5.22 J5.23 J5.24 U6.2 U6.3 U6.4 U8.2 U8.3 U8.6 U8.9 U8.12 U8.13 U9.0 U9.1 U9.3 U9.5 U9.6 U9.7 U9.13 U9.16 U9.17 U9.19 U9.20 U9.25 U9.28 U9.30 U9.32 U9.36 U9.38 U9.44 U9.45 U9.46 U9.47 U9.48 U9.49 U9.51 U10.0 U10.5 U11.1
copper on no net: | length 39.7
  Top Layer w10: 941.3,-2734.8 981,-2734.8

## Keep-outs
Keep-Out Layer:
  the board outline again, w7.87

## Silkscreen, mask and mechanical layers (free items; w line width, h text height)
Top Overlay:
  text "CLK" at 2970.96,-1853.8 h86.61 r90
  text "DIO" at 3070.96,-1853.8 h86.61 r90
  text "3V3" at 3173.96,-1853.8 h86.61 r90
  text "GND" at 3117,-2210 h86.61
  text "PWR" at 972.3,-3770 h47.24
  text "NET" at 1053,-3770 h47.24
Bottom Overlay:
  lines w7.87: 1701.5,-3461 1701.5,-2884 1845.5,-2884 1845.5,-3461 1701.5,-3461
  lines w11.81: 22.98,-3918.02 22.98,-1939.02 22.98,-21.98 3051.52,-21.98 ; 153.98,-3918.02 1038,-3918.02 1038,-3034 1097.02,-2974.98 1097.02,-2485 ; 936,-3918.02 3383.98,-3918.02 3383.98,-2688.98 ; 1862.57,-2508.09 1862.57,-2603.11 2257.59,-2603.11